# Altium PCB PCB1-recovery2.PcbDoc (part 4 of 5)
Units mil, origin at the board's own origin, x right, y up, seen from the top; angles counter-clockwise.
Board outline 7874.02 x 4566.93 mil, 8 copper layers (HIGH_SPEED_TOP, GND PLANE1, LOW_SPEED, +1V8_3V3_5V, +12V, SIGNAL, GND_PLANE3, HIGH_SPEED_BOT), stack 62.99 mil thick; 506 components, 435 nets, 2446 pads, 256 vias.
Unrouted connection lines stored in the file: 953.
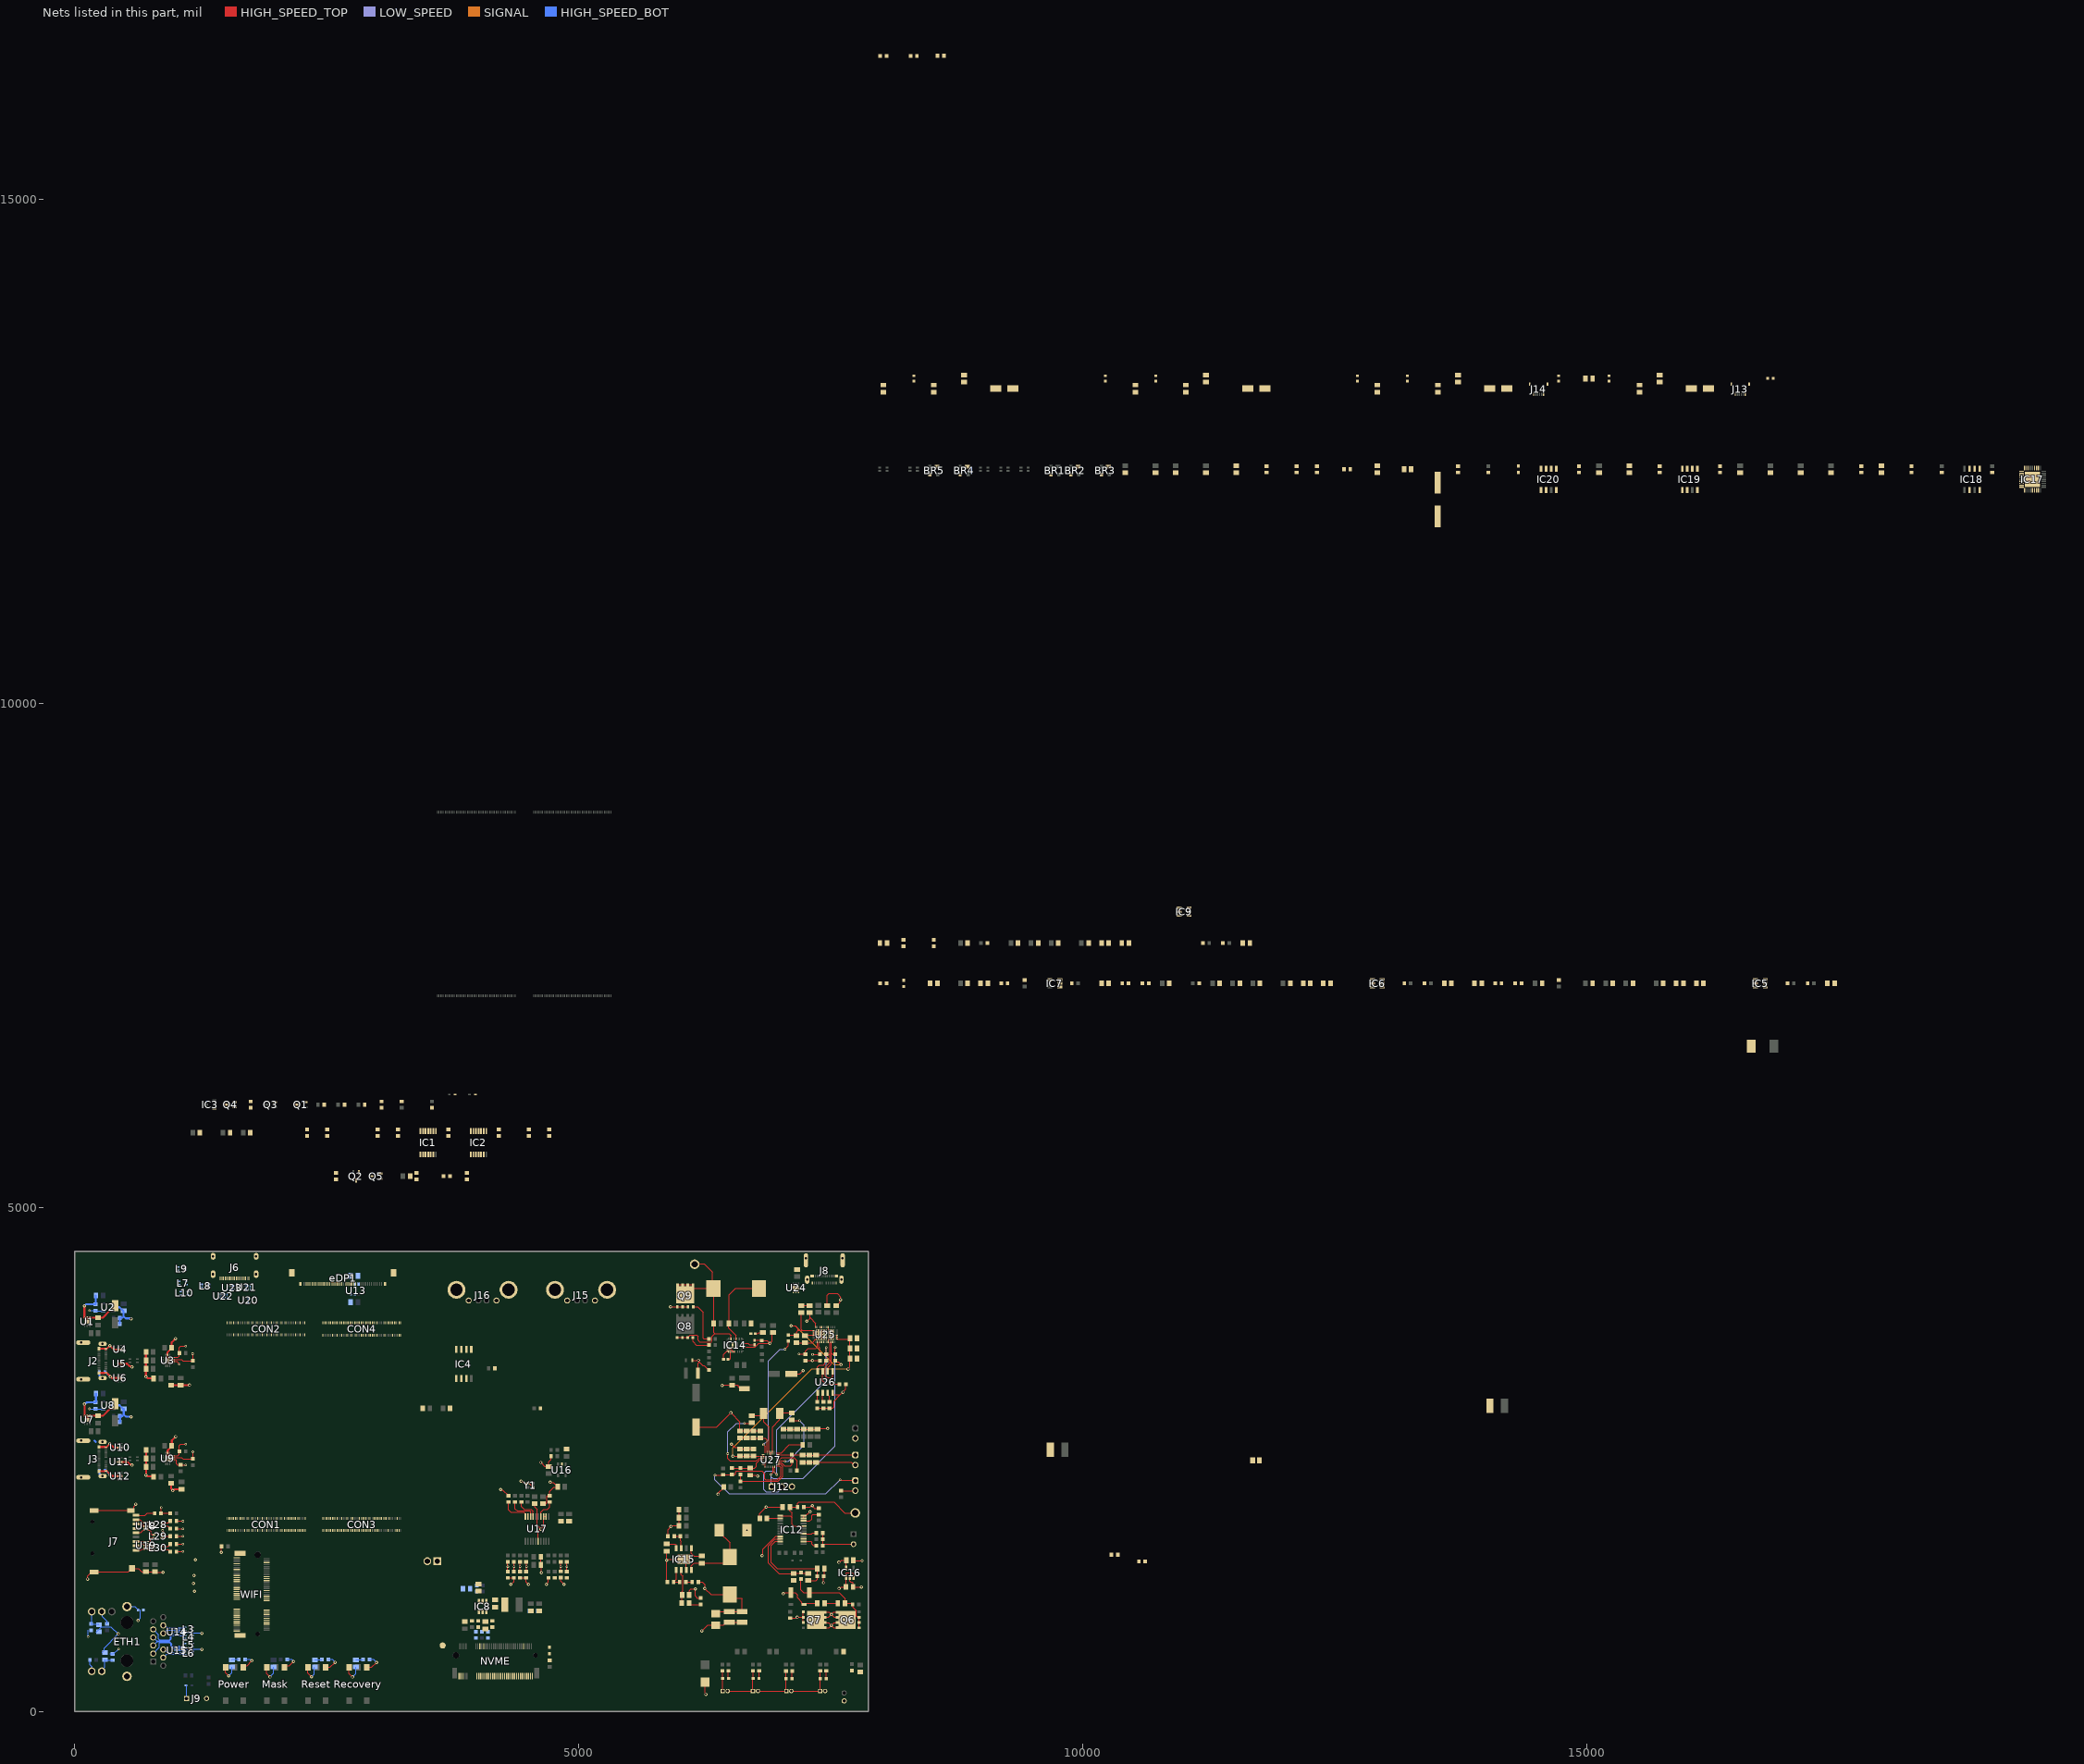
[diagram p10: the nets of this part, all layers, seen from the top]

## Via types
v1: diameter 32, hole 16, HIGH_SPEED_TOP to HIGH_SPEED_BOT, 119 vias
v2: diameter 24, hole 12, HIGH_SPEED_TOP to HIGH_SPEED_BOT, 112 vias
v3: diameter 23.62, hole 11.81, HIGH_SPEED_TOP to HIGH_SPEED_BOT, 24 vias
v4: diameter 40, hole 20, HIGH_SPEED_TOP to HIGH_SPEED_BOT, 1 vias

## Nets (pads, with @x,y where several pads share a name; then routed paths per layer and width w, separated by ;. In a path a pad name is that pad's centre, name@x,y a point inside that pad or via, vN(x,y) a via of type N, cw(c..) or ccw(c..) an arc to the next point about the centre after c; other vN are vias at no path point) (continued)
GND: 66.1 BR1.3 BR2.3 BR3.3 BR4.3 BR5.3 BT4.2 C1.2 C2.1 C3.1 C4.1 C5.1 C6.1 C7.1 C8.1 C9.1 C10.1 C11.2 C12.1 C13.1 C14.1 C15.1 C16.1 C17.1 C18.1 C19.1 C20.1 C21.1 C22.1 C23.1 C24.1 C26.1 C27.1 C28.1 C29.1 C30.1 C31.1 C32.1 C33.1 C34.1 C35.1 C36.1 C37.1 C38.1 C39.1 C40.1 C41.2 C42.2 C43.2 C44.2 C45.1 C46.2 C47.1 C48.1 C49.1 C52.1 C53.1 C54.1 C55.1 C56.1 C57.1 C58.1 C61.1 C62.1 C63.1 C64.1 C65.1 C67.1 C68.1 C69.1 C70.1 C73.1 C74.1 C75.1 C76.1 C77.1 C78.1 C79.1 C82.1 C83.1 C84.1 C85.1 C86.1 C87.1 C88.1 C89.1 C90.1 C91.1 C92.1 C93.1 C94.1 C95.1 C96.1 C97.1 C98.1 C99.1 C100.1 C101.1 C102.1 C103.1 C106.1 C107.1 C108.1 C109.1 C110.1 C111.1 C112.1 C113.1 C114.1 C116.2 C117.2 C122.1 C124.1 C127.2 C128.1 C129.2 C131.1 C132.1 C133.2 C134.2 C135.1 C136.1 C140.1 C141.1 C143.1 C144.1 C145.1 C146.2 C147.2 C148.2 C149.1 C151.1 C152.1 C153.1 C154.2 C155.2 C156.2 C157.2 C158.2 C159.2 C160.2 C161.1 C162.2 C163.2 C164.2 C165.2 C166.2 C167.1 C168.2 C169.2 C171.2 C172.2 C173.2 C175.2 C176.2 C177.2 C179.2 C180.2 C181.2 C183.2 C185.2 C186.2 CON1.11 CON1.12 CON1.13 CON1.24 CON1.33 CON1.34 CON1.39 CON1.40 CON1.45 CON1.46 CON1.51 CON1.52 CON1.57 CON1.58 CON1.63 CON1.64 CON1.69 CON1.70 CON1.73 CON1.76 CON1.77 CON1.82 CON1.88 CON1.91 CON1.94 CON1.100 CON2.9 CON2.10 CON2.15 CON2.16 CON2.21 CON2.22 CON2.27 CON2.28 CON2.33 CON2.34 CON2.39 CON2.40 CON2.45 CON2.46 CON2.51 CON2.52 CON2.57 CON2.58 CON2.63 CON2.64 CON2.69 CON2.70 CON2.75 CON2.76 CON2.81 CON2.82 CON2.87 CON2.88 CON2.93 CON2.94 CON2.99 CON2.100 CON3.1 CON3.2 CON3.7 CON3.8 CON3.13 CON3.14 CON3.19 CON3.20 CON3.25 CON3.26 CON3.31 CON3.32 CON3.37 CON3.38 CON3.44 CON3.49 CON3.50 CON3.56 CON3.59 CON3.62 CON3.71 CON3.84 CON3.85 CON3.94 CON4.1 CON4.2 CON4.7 CON4.8 CON4.13 CON4.14 CON4.19 CON4.20 CON4.25 CON4.26 CON4.31 CON4.32 CON4.37 CON4.38 CON4.43 CON4.44 CON4.49 CON4.50 CON4.55 CON4.61 CON4.62 CON4.68 CON4.80 CON4.83 CON4.96 D5.2 D6.2 D7.2 eDP1.14 eDP1.15 eDP1.21 eDP1.22 eDP1.23 eDP1.24 eDP1.27 eDP1.30 eDP1.33 eDP1.36 eDP1.39 eDP1.S1 eDP1.S2 eDP1.S3 eDP1.S4 FB2.1 FB4.1 FB6.1 FB8.1 FB9.1 FB10.1 FB11.1 IC1.7 IC2.7 IC3.1 IC4.4 IC5.1 IC6.1 IC7.2 IC8.1 IC9.1 IC12.9 IC12.23 IC12.24 IC14.5 IC14.6 IC14.7 IC14.9 IC14.10 IC14.15 IC14.24 IC14.28 IC15.7 IC15.9 IC16.2 IC17.11 IC17.37 IC18.3 IC19.6 IC20.6 J2.A1 J2.A12 J2.B1 J2.B12 J3.A1 J3.A12 J3.B1 J3.B12 J6.1 J6.4 J6.7 J6.10 J6.13 J6.20 J7.6 J7.G1 J7.G2 J7.G3 J7.G4 J8.A1 J8.A12 J8.B1 J8.B12 J8.SH1 J8.SH2 J8.SH3 J8.SH4 J9.3 J12.3 J17.1 JP1.2 JP2.2 L24.1 L25.1 L25.2 LED2.1 LED8.1 Mask.2 NVME.1 NVME.3 NVME.9 NVME.15 NVME.21 NVME.27 NVME.33 NVME.39 NVME.45 NVME.51 NVME.57 NVME.71 NVME.73 NVME.75 Power.2 Q4.2 Q5.2 Q7.1 Q7.2 Q7.3 Q9.1 Q9.2 Q9.3 R1.1 R2.1 R3.1 R8.1 R9.1 R10.1 R23.1 R24.1 R30.2 R31.2 R36.1 R37.2 R38.2 R39.2 R40.2 R53.1 R74.1 R83.1 R88.1 R91.1 R97.1 R102.1 R104.1 R105.1 R106.1 R108.1 R121.2 R127.1 R128.1 R135.1 R138.2 R139.1 R141.2 R142.2 R147.1 R149.1 R150.1 R151.1 R152.1 R155.1 R157.1 R158.1 R159.2 R163.2 R164.1 R166.2 R168.2 R169.2 R170.2 R171.2 Recovery.2 Reset.2 RT1.2 RTC_BAT.1 U1.1 U1.2 U1.3 U1.7 U2.2 U3.9 U3.15 U4.3 U4.8 U5.3 U5.8 U6.3 U6.8 U7.1 U7.2 U7.3 U7.7 U8.2 U9.9 U9.15 U10.3 U10.8 U11.3 U11.8 U12.3 U12.8 U13.2 U14.3 U14.8 U15.3 U15.8 U16.2 U17.2 U17.3 U17.9 U17.16 U18.3 U18.8 U19.3 U19.8 U20.3 U20.8 U21.3 U21.8 U22.3 U22.8 U23.3 U23.8 U24.1 U24.2 U24.3 U24.7 U25.10 U25.11 U25.12 U25.14 U25.18 U25.31 U25.39 U26.4 U27.27 WIFI.1 WIFI.7 WIFI.18 WIFI.33 WIFI.39 WIFI.45 WIFI.51 WIFI.57 WIFI.63 WIFI.69 WIFI.75 WIFI.S1 WIFI.S2 Y1.2 Y1.4 | length 19838.2
  HIGH_SPEED_TOP w10: v1(125,1315) 129.21,1319.21 129.21,1343.98 170.11,1384.88 J7.G4@189.8,1384.88 532.32,1384.88 565.78,1418.35 J7.G2@565.78,1420.31 632.69,1420.31 664.87,1388.13 C35.1@706,1388.13 C36.1@794,1388.13 799.13,1383 v1(875,1383) ; J7.G3@189.8,1995.12 J7.G1@555.94,1995.12 567.75,1995.12 586.37,2013.74 586.37,2034.42 604,2052.05 v1(604,2058) ; J7.6@607.12,1817.95 609.16,1820 646,1820 665.68,1839.68 U18.3@689.27,1839.68 U18.3@689.54,1839.68 ; U19.3@689.27,1649 U19.8@722.73,1649 ; v1(1453,1580) 1453,1635.5 R74.1@1456.5,1639 ; Power.2@1494.42,439.35 1494.42,386.58 v1(1527,354) ; Mask.2@1903.08,439.35 1903.08,376.92 v1(1936,344) ; Reset.2@2311.75,439.35 2311.75,381.25 v1(2347,346) ; Recovery.2@2720.42,439.35 2720.42,377.58 v1(2754,344) ; v1(4225,2203) 4229.21,2198.79 4244.74,2198.79 4301.03,2142.5 R36.1@4303,2142.5 ; R37.2@4295.05,1327.5 R38.2@4356,1327.5 4356,1292 v1(4326,1262) ; R39.2@4417,1327.5 R40.2@4478,1327.5 4478,1285.33 v1(4501.33,1262) ; v1(4428,2286) 4433.18,2286 4452.51,2266.67 Y1.2@4493.43,2266.67 4503.19,2256.91 4513.03,2256.91 4544.61,2225.33 Y1.4@4546.57,2225.33 ; C34.1@4562,2063.57 4562,2027 4585,2004 4585,1851 v1(4625,1811) ; U17.16@4597.8,1690.5 4597.8,1783.8 v1(4625,1811) ; v1(4622,2472) 4661.57,2432.43 C27.1@4702,2432.43 4702,2477.14 4707.86,2483 4708,2483 4726,2501 4726,2532.5 R23.1@4724.5,2534 ; C31.1@4623.43,1536 C32.1@4623.43,1456 4630,1449.43 v1(4630,1378) ; C33.1@4643,2063.57 4643.43,2064 4673.02,2064 ; 4673.02,2063.02 4683,2073 4683,2135 4692,2144 4710.5,2144 R24.1@4712,2142.5 4712,2185 4753,2226 4784.57,2226 C28.1@4789.57,2231 4789.57,2236.91 4771.93,2254.54 4766.02,2254.54 4746,2274.57 4715.43,2274.57 v1(4715,2275) ; U17.2@4674.57,1935.5 U17.3@4648.98,1935.5 4648.98,1834.98 v1(4625,1811) ; v1(4676.67,1262) 4699,1284.33 R159.2@4699,1327.5 ; R31.2@4820,1328.01 4820,1294 v1(4852,1262) ; C149.1@5871.06,1592.57 5871,1592.51 v1(5871,1502) ; R158.1@5877.5,1287 5871,1293.5 v1(5871,1502) ; R155.1@5883.5,1740 5883.5,1804.5 v1(5915,1836) 5920.95,1836 5928.95,1844 C145.1@5994.57,1844 C144.1@5994.57,1924 C143.1@5994.57,2005 ; v1(5910,4017) 5910.77,4016.23 5976.69,4016.23 Q9.1@5977.46,4015.46 Q9.2@6029.82,4015.46 Q9.3@6082.18,4015.46 ; IC15.7@6066,1405.23 6066,1487 IC15.9@6041,1512 5886.95,1512 5876.95,1502 v1(5871,1502) ; C151.1@6094.43,1157 6094.43,1199.98 6110.45,1216 v1(6157,1216) 6157,1146 6176.5,1126.5 R157.1@6209,1126.5 ; C136.1@6125.5,3487 6126.5,3486 v1@6182,3486 ; C134.2@6161.6,2823.25 6367.25,2823.25 v1(6508,2964) 6598.58,2873.42 C99.1@6598.58,2785.27 C100.1@6665.86,2785.27 C101.1@6733.15,2785.27 C102.1@6800.43,2785.27 ; C135.1@6181.51,3356.05 6181.51,3457.56 6191,3467.05 6191,3472.05 6182,3481.05 v1@6182,3486 ; v1@6182,3487 v1@6182,3486 ; v1(6186,3486) v1@6182,3486 ; 6193.98,3470.02 6229.98,3434.02 6244.52,3434.02 6289.03,3389.5 R147.1@6291,3389.5 ; v1(6221,801) 6278,858 6278.48,857.52 C146.2@6359,857.52 6434.59,857.52 6464.55,887.48 C147.2@6493.29,887.48 6620.85,887.48 C148.2@6621,887.64 ; D5.2@6252,292.39 6252,186.95 6260,178.95 v1(6260,173) ; v1(6383,2156) 6387.21,2160.21 6387.21,2170.75 6439.53,2223.08 L24.1@6439.53,2228 ; v1(6420,3236) 6422.57,3238.57 6578.6,3238.57 6584.46,3232.71 6584.46,3224.44 6604.26,3204.64 C132.1@6633,3204.64 ; R150.1@6435.08,3495.5 6435.08,3542.13 6469.37,3576.42 IC14.28@6471.18,3576.42 ; IC14.6@6475.59,3595.63 IC14.6@6482.32,3595.63 ; IC14.6@6476.83,3595.71 6476.83,3615.24 6476.91,3615.31 IC14.5@6478.07,3615.31 ; IC14.7@6485.43,3569.57 6483.54,3571.46 6483.54,3594.41 IC14.6@6482.32,3595.63 ; v1(6514,2654) 6545.1,2622.9 6580.94,2622.9 C95.1@6598.58,2605.27 C96.1@6665.86,2605.27 C97.1@6733.15,2605.27 ; IC14.24@6525.79,3635 6525.79,3614.33 6523.41,3611.95 6512.62,3611.95 6509.31,3608.64 6506.64,3608.64 v1(6500.79,3602.79) ; IC14.10@6545.47,3570.55 IC14.9@6525.79,3570.55 6525.79,3577.78 v1(6500.79,3602.79) ; IC14.15@6614.76,3616.31 6748.31,3616.31 6786,3654 v1(6896,3654) ; C103.1@6700,2345.57 6759.48,2345.57 6768.05,2337 v1(6774,2337) ; R151.1@6736,3684.65 6803.84,3684.65 6806,3682.5 6867.5,3682.5 v1(6896,3654) ; C117.2@6795.57,1918 6795.57,1964.57 v1(6860,2029) 7020.57,2029 C116.2@7021.57,2030 ; v1(6818,1547) 6827,1556 6827,1610 6956.02,1739.02 IC12.9@6998.33,1739.02 ; U27.27@6903,2568.93 6904,2567.93 6904,2513 v1(6905,2512) ; C140.1@6918,3761.57 6918,3676 v1(6896,3654) ; v1(7028,1170) 7033.95,1170 7043.95,1180 R138.2@7101.96,1180 7102.96,1181 7146,1181 7169,1158 7169,1127.96 7213.35,1083.61 7213.35,1073.76 7223.12,1064 D6.2@7232.96,1064 7242.8,1064 7252.8,1074 C127.2@7366.57,1074 ; C106.1@7030,2801.27 C107.1@7097.28,2801.27 C108.1@7164.57,2801.27 C109.1@7231.85,2801.27 C110.1@7299.14,2801.27 C111.1@7366.42,2801.27 7373.16,2808 v1(7468,2808) ; R141.2@7097,928.5 7153.55,928.5 7161.05,936 v1(7167,936) Q7.2@7227,936 ; C133.2@7109.61,3351 7193,3351 v1(7225,3383) ; C98.1@7159.14,3660.18 7243.68,3660.18 C89.1@7244.25,3659.61 7316.61,3659.61 7350.45,3693.45 7357.87,3693.45 v3(7364.88,3700.46) ; C88.1@7206,4028.43 C87.1@7290,4028.43 ; C112.1@7219.72,2473.21 C113.1@7287,2473.21 C114.1@7354.28,2473.21 7704.46,2473.21 7731.67,2446 JP2.2@7743,2446 ; Q7.3@7227,883.64 Q7.2@7227,936 ; Q7.1@7227,988.36 Q7.2@7227,936 ; IC12.23@7229.67,1918.16 IC12.24@7229.67,1943.75 7249.85,1943.75 7266.18,1960.08 7272.08,1960.08 v1(7294,1982) ; R104.1@7364.26,3010.05 R105.1@7426.18,3010.05 7487.95,3010.05 R106.1@7488,3010 7517,3010 7534,3027 7534,3082 7594,3142 ; R142.2@7420.5,1647 R142.2@7420.5,1648.28 ; R128.1@7420.5,1773 R127.1@7420.5,1710 R142.2@7420.5,1648.28 ; v1(7429,1279) 7429,1342.5 R135.1@7429.5,1343 7436.43,1349.94 C122.1@7436.43,1419 ; C90.1@7463,4028.43 7463,4129 7481,4147 7563,4147 7597,4113 v1(7597,4087) 7592.79,4082.79 7592.79,4061.32 7559.91,4028.43 C91.1@7554,4028.43 ; U26.4@7519,3162.23 7519,3149.8 7526.8,3142 7594,3142 ; R108.1@7649.5,3247 7649.5,3197.5 v1(7621,3169) 7594,3142 ; IC16.2@7688.2,1328.99 7688.2,1293.2 7697.2,1284.2 7713.2,1284.2 7720.46,1276.94 C153.1@7720.46,1236.5 7721.17,1237.2 v1(7804.2,1237.2) ; C152.1@7724.63,1501.2 7728.63,1497.2 v1(7810.2,1497.2) ; RT1.2@7725,1661 7433.21,1661 R142.2@7420.5,1648.28 ; IC14.6@6482.32,3595.63 6489.48,3602.79 v1(6500.79,3602.79)
  HIGH_SPEED_TOP w19.68: v1@95,4025 95.11,4024.89 95.11,3910.65 96.41,3909.35 U1.2@122,3909.35 ; v1(96,3051) 96.11,3050.89 96.11,2936.65 U7.3@97.41,2935.35 U7.2@123,2935.35 ; U1.7@122,3869 U1.2@122,3909.35 ; U7.7@123,2895 U7.2@123,2935.35 ; J2.B1@239,3360.13 296.05,3360.13 298.02,3362.1 313.84,3362.1 351,3324.95 351,3322 356.95,3322 368.95,3310 U6.8@461.68,3310 ; J2.B12@239,3600.29 296.05,3600.29 298.02,3598.32 313.84,3598.32 347,3631.48 347,3632 386,3593 U4.8@461.68,3593 ; J3.B1@240,2386.13 297.05,2386.13 299.02,2388.1 J3.A12@306.93,2388.1 314.84,2388.1 352,2350.94 v1(352,2348) 357.95,2348 369.95,2336 U12.3@429.22,2336 U12.8@462.69,2336 ; J3.B12@240,2626.29 297.05,2626.29 299.02,2624.32 J3.A1@306.93,2624.32 314.84,2624.32 348,2657.48 v1(348,2658) 387,2619 U10.3@429.22,2619 U10.8@462.69,2619 ; C11.2@399,4028.65 399,4005.02 372.5,3978.53 347.57,3978.53 277.48,3908.43 229,3908.43 228.08,3909.35 U1.2@122,3909.35 ; C186.2@400,3054.64 400,3031.02 373.5,3004.53 348.57,3004.53 278.48,2934.43 C185.2@230,2934.43 229.08,2935.35 U7.1@148.59,2935.35 U7.2@123,2935.35 ; U5.3@427.27,3451.5 518.5,3451.5 543,3427 552.05,3427 560.05,3419 v1@566,3419 ; U11.8@428.27,2477.5 U11.3@461.73,2477.5 519.5,2477.5 544,2453 553.05,2453 561.05,2445 v1(567,2445) ; C6.1@704.84,3569.49 704.84,3401.49 704.92,3401.41 704.92,3322.08 705,3322 708.33,3322 723.33,3307 778.66,3307 C5.1@780.84,3304.82 ; C14.1@705.84,2595.49 C15.1@705.84,2511.49 C16.1@705.84,2427.49 705.92,2427.41 705.92,2348.08 v1(706,2348) 709.33,2348 724.33,2333 779.66,2333 C20.1@781.84,2330.82 ; U3.15@919.96,3484.31 919.96,3564.83 960.71,3605.58 960.71,3663.71 v1@999,3702 ; U9.15@920.96,2510.31 U9.9@920.96,2561.49 920.96,2590.83 961.71,2631.58 C19.1@961.71,2637.49 961.71,2689.71 v1(1000,2728) ; C18.1@954.28,2266.05 954.28,2213.89 972,2196.16 v1(972,2193) 975.33,2193 988.9,2206.57 C17.1@1059,2206.57 ; C10.1@954.65,3238.68 C9.1@1048.9,3238.68 ; C9.1@1048.9,3239.15 v1@1137.9,3239.15
  HIGH_SPEED_BOT w10: 210,792.57 215.91,792.57 266.34,843 355,843 428,770 v1(432,770) 292.93,630.93 292.93,604.83 275.3,587.19 269.39,587.19 ; v1(628,903) 651.58,926.57 651.58,1011 ; U15.8@997.27,608.31 U15.3@1030.73,608.31 1067.31,608.31 1078,619 1259,619 v1(1260,618) ; U14.8@997.27,791 U14.3@1030.73,791 1070,791 1080,781 1261,781 v1@1264,778 ; v1(1527,354) 1558,385 C41.2@1558,442.57 ; v1(1936,344) 1972,380 C43.2@1972,442.57 ; v1(2347,346) 2375.09,374.09 2375.09,436.66 C42.2@2381,442.57 ; v1(2754,344) 2788,378 C44.2@2788,442.57
  HIGH_SPEED_BOT w19.68: v1@95,4025 112.5,4042.5 205,4042.5 208.57,4046.06 C2.1@208.57,4130 ; v1(96,3051) 101.95,3051 119.45,3068.5 R10.1@206,3068.5 209.57,3072.06 C12.1@209.57,3156 ; FB9.1@295.57,3370 295.57,3369.02 298.53,3366.06 306.94,3366.06 v1@351,3322 ; FB10.1@296.57,2396 296.57,2395.01 299.53,2392.06 307.94,2392.06 v1(352,2348) ; U2.2@381.18,4012 442.66,4012 478.09,3976.57 484,3976.57 484,3921 ; U8.2@382.18,3038 443.66,3038 479.1,3002.57 C13.1@485,3002.57 485,2947 ; R2.1@446.5,3848 446.5,3908 447.5,3907 470,3907 484,3921 ; R8.1@447.5,2874 R9.1@447.5,2934 448.5,2933 471,2933 485,2947 ; v1@557,3899 555,3901 504,3901 484,3921 ; v1(558,2925) 556,2927 505,2927 485,2947
  other v1: 1260,778 6667.8,1799 1137.9,3239.11 350.9,3321.54 704.9,3321.54 565.9,3418.54 346.9,3631.54 998.9,3701.54 556.9,3898.54 94.9,4024.54
  other v3: 7392.44,3700.46 7420,3700.46 7447.56,3700.46 7364.88,3727.23 7392.44,3727.23 7420,3727.23 7447.56,3727.23 7364.88,3754 7392.44,3754 7420,3754 7447.56,3754 7364.88,3780.77 7392.44,3780.77 7420,3780.77 7447.56,3780.77
GPIO0_A4/SDMMC_DET_L: CON4.70 R49.1 R50.1 | length 144
  HIGH_SPEED_TOP w10: R50.1@855.5,1968 R49.1@945.5,1968 ; R50.1@855.5,1973 858,1975.5 v2(858,2026)
GPIO0_B2: CON3.47 WIFI.21
GPIO0_C4/UART0_RX_M0: CON3.70 R41.1
GPIO0_C5/UART0_TX_M0/PWM4_M0: CON3.72 WIFI.20
GPIO0_D3/CC_INT_L: CON3.64 U3.5 | length 75.4
  HIGH_SPEED_TOP w10: U3.5@972.05,3473.56 1011.45,3473.56 v2(1036.9,3448.11)
GPIO0_D5: CON3.68 R13.1 U9.5 | length 166.7
  HIGH_SPEED_TOP w10: U9.5@972.14,2500.46 973.05,2499.56 997.44,2499.56 1007,2490 1007,2459 1017,2449 1047.5,2449 R13.1@1048,2448.5 1048.5,2448 v2(1099,2448)
GPIO1_A0/UART6_RX_M1: CON3.73 WIFI.22
GPIO1_A1/UART6_TX_M1: CON3.75 WIFI.32
GPIO1_A2/I2C4_SDA_M3_TP: CON3.77 WIFI.36
GPIO1_A3/I2C4_SCL_M3_TP: CON3.79 WIFI.34
GPIO1_A4: CON3.81 IC4.2
GPIO1_D2/TYPEC5V_PWREN_H: CON3.39 R1.2 U2.4 | length 136.5
  HIGH_SPEED_BOT w10: v2@145,3978 203.5,3978 205,3979.5 209.91,3974.6 U2.4@278.82,3974.6
  other v2: 144.9,3977.54
GPIO2_A6: CON1.79 WIFI.13
GPIO2_A7: CON1.81 WIFI.15
GPIO2_B0: CON1.83 WIFI.17
GPIO2_B1: CON1.85 WIFI.19
GPIO2_B2: CON1.87 WIFI.11
GPIO2_B3: CON1.89 WIFI.9
GPIO2_B7: CON1.99 WIFI.8
GPIO2_C0: CON1.21 WIFI.10
GPIO2_C3: CON1.27 R42.2
GPIO3_A0/SPI4_MISO_M1/PWM10_M0: CON4.87 IC4.3
GPIO3_A1/SPI4_MOSI_M1: CON4.89 IC4.5
GPIO3_A2/SPI4_CLK_M1/UART8_TX_M1: CON4.91 IC4.6 R76.1
GPIO3_A3/SPI4_CS0_M1/UART8_RX_M1: CON4.93 IC4.7 R75.1
GPIO3_A5: CON4.97 IC4.1
GPIO3_A6/LCD_RST: CON4.99 WIFI.42
GPIO3_A7: CON4.100 U13.3
GPIO3_B4: CON4.90 R10.2 U8.4 | length 136.5
  HIGH_SPEED_BOT w10: v2(146,3004) 204.5,3004 R10.2@206,3005.5 210.91,3000.6 U8.4@279.82,3000.6
GPIO3_B7: CON4.98 eDP1.16
GPIO3_C7/I2C5_SCL_M0_TP: CON4.81 R107.1 U25.9 | length 199.4
  HIGH_SPEED_TOP w7.87: v2(7319.14,3544.62) 7391.64,3544.62 R107.1@7392.14,3544.11 7392.14,3603.62 7381.22,3614.54 U25.9@7381.22,3665.81
GPIO3_D0/I2C5_SDA_M0_TP: CON4.79 R103.1 U25.8 | length 282.3
  HIGH_SPEED_TOP w7.87: v2(7184.14,3548.62) 7244.64,3548.62 R103.1@7248.14,3545.11 ; R103.1@7248.14,3542.7 R103.1@7248.14,3545.11 ; U25.8@7365.47,3665.81 7365.47,3613.95 7353.14,3601.62 7276.14,3601.62 7248.14,3573.62 R103.1@7248.14,3545.11
GPIO3_D5/PWM11_M3/LCD_2_BL: CON4.85 WIFI.54 WIFI.70
GPIO4_A0/TP_2_INT_L: CON3.51 WIFI.53
GPIO4_A1/TP_2_RST_L: CON3.53 WIFI.55
GPIO4_A2: CON3.55 WIFI.52
GPIO4_B4/PCIE30X4_CLKREQn_M1_L: CON3.65 R20.2
GPIO4_B5/PCIE30X4_WAKEn_M1_L: CON3.67 R21.2
GPIO4_B6/PCIE30X4_PERSTn_M1_L: CON3.69 R19.2
GPIO4_C3: CON1.28 R43.2
GPIO4_C4/MIPI_CAM1_RESET_L: CON1.30 WIFI.56
HDMI0_TX0_N: CON4.47 L9.3
HDMI0_TX0_P: CON4.45 L9.4
HDMI0_TX1_N: CON4.41 L8.3
HDMI0_TX1_P: CON4.39 L8.4
HDMI0_TX2_N: CON4.35 L7.3
HDMI0_TX2_P: CON4.33 L7.4
HDMI0_TX3_N: CON4.53 L10.3
HDMI0_TX3_P: CON4.51 L10.4
HDMI0_TX_ON_H: CON4.69 IC1.1 IC1.4 IC1.10 IC1.13 IC2.1 IC2.4 IC2.10 IC2.13
HDMI0_TX_SBD_N: CON4.59 J6.19 R54.1 U21.5 U21.6
HDMI0_TX_SBD_P: CON4.57 J6.17 U21.4 U21.7
HDMI1_TX0_N: CON4.17 eDP1.29
HDMI1_TX0_P: CON4.15 eDP1.28
HDMI1_TX1_N: CON4.11 eDP1.32
HDMI1_TX1_P: CON4.9 eDP1.31
HDMI1_TX2_N: CON4.5 eDP1.35
HDMI1_TX2_P: CON4.3 eDP1.34
HDMI1_TX3_N: CON4.23 eDP1.38
HDMI1_TX3_P: CON4.21 eDP1.37
HDMI1_TX_SBD_N: CON4.29 eDP1.25
HDMI1_TX_SBD_P: CON4.27 eDP1.26
HDMITX0_CEC_M0: CON4.67 Q3.2 R60.1
HDMITX0_HPDIN_M0: CON3.95 Q4.3 R51.1
HDMITX0_SCL_M0: CON4.63 Q1.2 R55.1
HDMITX0_SDA_M0: CON4.65 R57.1
I2C6_SCL_M0: CON3.96 R4.2 U3.6 | length 274.2
  HIGH_SPEED_TOP w10: U3.6@972.95,3494.15 985.56,3494.15 985.9,3494.49 ; U3.6@985.72,3494.15 1058.85,3494.15 1072.39,3480.61 R4.2@1170.91,3480.61 1170.91,3549.54 v2(1169.9,3550.54)
I2C6_SDA_M0: CON3.98 R5.2 U3.7 | length 226.1
  HIGH_SPEED_TOP w10: U3.7@971.14,3513.83 1022.83,3513.83 1036,3527 1036,3556.5 1035.5,3557 1035.5,3613.5 1049,3627 v2@1099,3627
  other v2: 1098.9,3626.54
I2C7_SCL_M0: CON2.7 R11.2 U9.6 | length 275.8
  HIGH_SPEED_TOP w10: U9.6@972.14,2520.15 1059.85,2520.15 1069,2511 1069,2510.86 1074.86,2505 1168.5,2505 R11.2@1171,2507.5 v2(1171,2577)
I2C7_SDA_M0: CON2.5 R12.2 U9.7 | length 226.1
  HIGH_SPEED_TOP w10: U9.7@972.14,2539.83 1023.84,2539.83 1037,2553 1037,2582.5 R12.2@1036.5,2583 1036.5,2639.5 1050,2653 v2(1100,2653)
I2C_SCL: J12.1 R109.2 U25.17 U26.6 U27.14 | length 2378.4
  HIGH_SPEED_TOP w7.87: v2(6906,2353) 6926.62,2373.62 U27.14@6926.62,2427.2 ; U26.6@7469,3375.77 7469,3411 7507.2,3449.2 7507.2,3556.62 ; U25.17@7507.2,3665.81 7507.2,3556.62 ; v2(7544,3613) 7544,3544.9 R109.2@7543.21,3544.11 7542.71,3544.62 7519.21,3544.62 7507.2,3556.62
  LOW_SPEED w7.87: v2(6906,2353) 6908.81,2350.19 6908.81,2329.19 ; J12.1@6914,2232 6908.81,2237.19 6908.81,2329.19 ; v2(7544,3613) 7544,2633 7223.26,2312.26 6925.74,2312.26 6908.81,2329.19
I2C_SDA: J12.2 R110.2 U25.16 U26.5 U27.15 | length 2670.8
  HIGH_SPEED_TOP w7.87: U27.15@6942.37,2427.2 6942.37,2373.63 v2(6963,2353) ; v2(7454,3613) 7454,3545.33 R110.2@7455.21,3544.11 7455.72,3544.62 7481.21,3544.62 7489.21,3552.62 7491.46,3554.86 ; U25.16@7491.46,3665.81 7491.46,3554.86 ; U26.5@7519,3375.77 7519,3324 7511,3316 7465,3316 7447,3334 7447,3421 7491.56,3465.56 7491.56,3550.27 7491.46,3550.37 7491.46,3554.86
  LOW_SPEED w7.87: J12.2@7014,2232 7014,2219 6977,2182 6858,2182 6835,2205 6835,2365 6859,2389 6927,2389 v2(6963,2353) 6963,2796 7454,3287 v2(7454,3613)
IC8+VBST: C71.1 IC8.6